# KiCad board fmc_memory_adapter.kicad_pcb (continued)
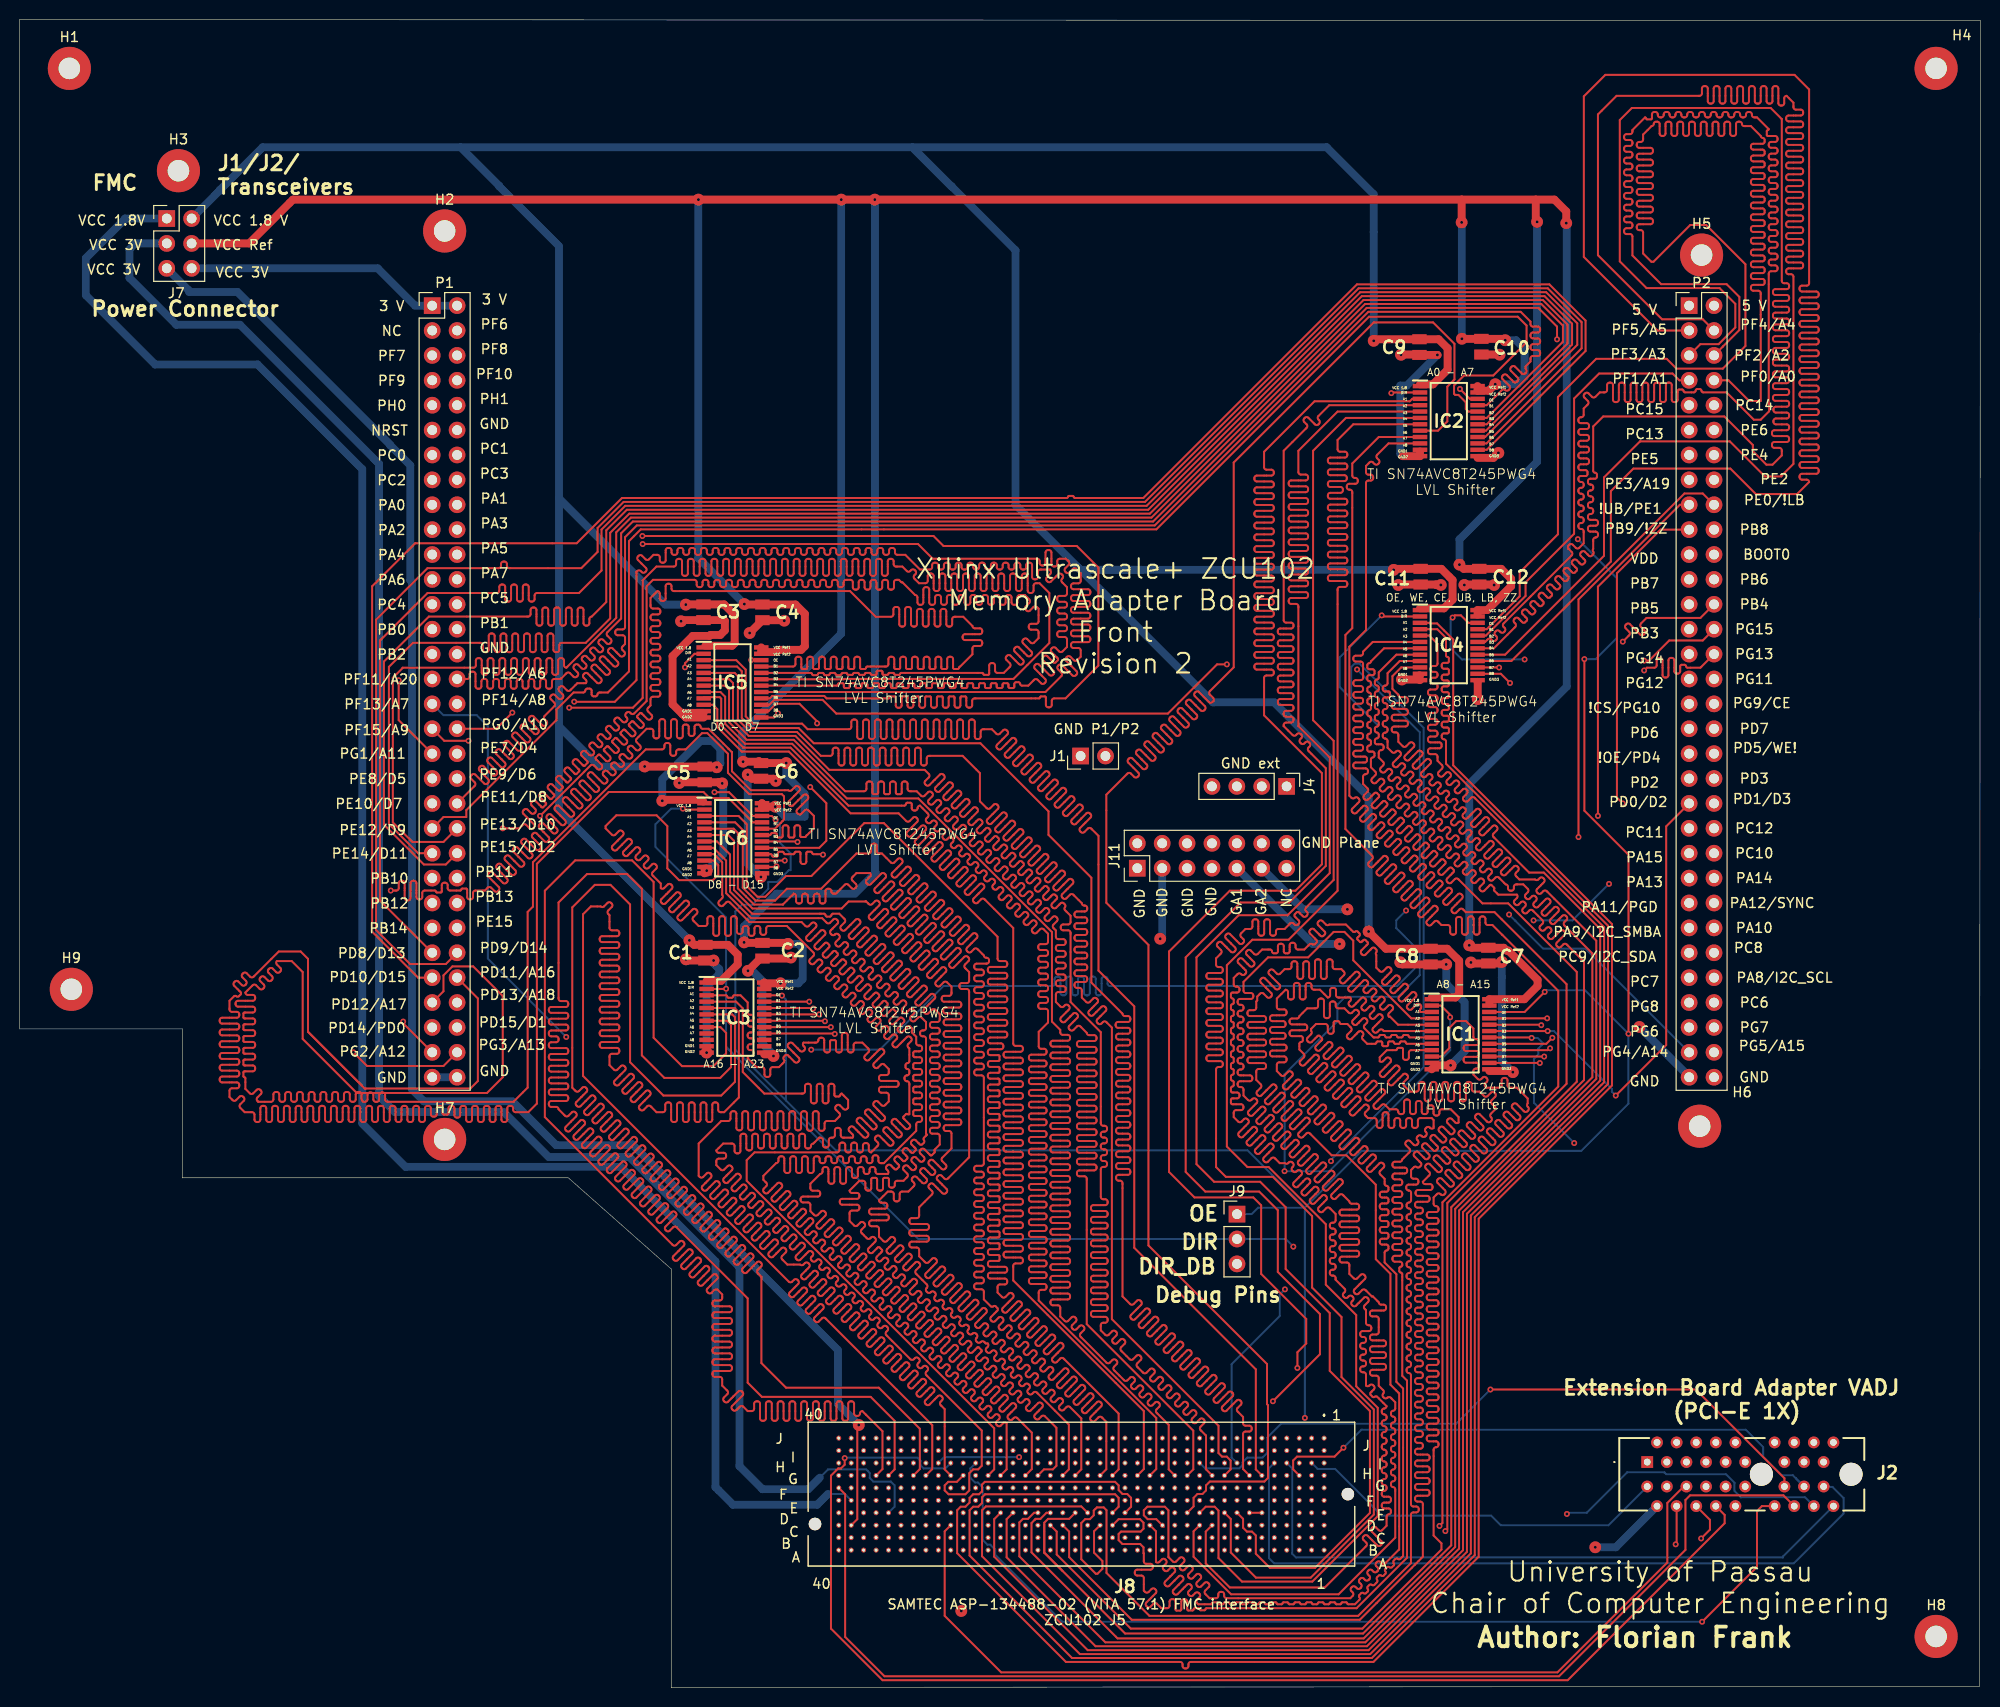
[diagram p0: board, top side]
## Routing (per net, layer and track width the routed paths; a pad name or vN(x,y) marks a point on that pad's centre or on a via; arc(x,y) is an arc through that point) (continued)
Net-(IC5-B1): length 188.4
  Top w0.2: IC5.21 78.94,104.18 arc(79.11,104.25) 79.18,104.42 79.18,104.94 arc(79.25,105.11) 79.42,105.18 79.54,105.18 arc(79.71,105.11) 79.78,104.94 79.78,104.05 arc(79.81,103.97) 79.9,103.93 80.25,103.93 arc(80.34,103.97) 80.38,104.05 80.38,104.94 arc(80.45,105.11) 80.62,105.18 80.74,105.18 arc(80.91,105.11) 80.98,104.94 80.98,104.05 arc(81.01,103.97) 81.1,103.93 81.45,103.93 arc(81.54,103.97) 81.58,104.05 81.58,104.94 arc(81.65,105.11) 81.82,105.18 81.94,105.18 arc(82.11,105.11) 82.18,104.94 82.18,104.05 arc(82.21,103.97) 82.3,103.93 82.65,103.93 arc(82.74,103.97) 82.78,104.05 82.78,104.94 arc(82.85,105.11) 83.02,105.18 83.14,105.18 arc(83.31,105.11) 83.38,104.94 83.38,104.05 arc(83.41,103.97) 83.5,103.93 83.85,103.93 arc(83.94,103.97) 83.98,104.05 83.98,104.94 arc(84.05,105.11) 84.22,105.18 84.34,105.18 arc(84.51,105.11) 84.58,104.94 84.58,104.05 arc(84.61,103.97) 84.7,103.93 85.05,103.93 arc(85.14,103.97) 85.18,104.05 85.18,104.94 arc(85.25,105.11) 85.42,105.18 85.54,105.18 arc(85.71,105.11) 85.78,104.94 85.78,104.05 arc(85.81,103.97) 85.9,103.93 86.25,103.93 arc(86.34,103.97) 86.38,104.05 arc(86.41,104.14) 86.5,104.18 88.42,104.18 arc(88.59,104.25) 88.66,104.42 88.66,104.94 arc(88.73,105.11) 88.9,105.18 89.02,105.18 arc(89.19,105.11) 89.26,104.94 89.26,104.05 arc(89.3,103.97) 89.39,103.93 89.74,103.93 arc(89.82,103.97) 89.86,104.05 89.86,104.94 arc(89.93,105.11) 90.1,105.18 90.22,105.18 arc(90.39,105.11) 90.46,104.94 90.46,104.05 arc(90.5,103.97) 90.59,103.93 90.94,103.93 arc(91.02,103.97) 91.06,104.05 91.06,104.94 arc(91.13,105.11) 91.3,105.18 91.42,105.18 arc(91.59,105.11) 91.66,104.94 91.66,104.05 arc(91.7,103.97) 91.79,103.93 92.14,103.93 arc(92.22,103.97) 92.26,104.05 92.26,104.94 arc(92.33,105.11) 92.5,105.18 92.62,105.18 arc(92.79,105.11) 92.86,104.94 92.86,104.05 arc(92.9,103.97) 92.99,103.93 93.34,103.93 arc(93.42,103.97) 93.46,104.05 93.46,104.94 arc(93.53,105.11) 93.7,105.18 93.82,105.18 arc(93.99,105.11) 94.06,104.94 94.06,104.05 arc(94.1,103.97) 94.19,103.93 94.54,103.93 arc(94.62,103.97) 94.66,104.05 94.66,104.94 arc(94.73,105.11) 94.9,105.18 95.02,105.18 arc(95.19,105.11) 95.26,104.94 95.26,104.05 arc(95.3,103.97) 95.39,103.93 95.74,103.93 arc(95.82,103.97) 95.86,104.05 arc(95.9,104.14) 95.99,104.18 97.24,105.43 97.24,106.04 arc(97.31,106.21) 97.48,106.28 98,106.28 arc(98.17,106.35) 98.24,106.52 98.24,106.64 arc(98.17,106.81) 98,106.88 96.48,106.88 arc(96.31,106.95) 96.24,107.12 96.24,107.24 arc(96.31,107.41) 96.48,107.48 98,107.48 arc(98.17,107.55) 98.24,107.72 98.24,107.84 arc(98.17,108.01) 98,108.08 97.48,108.08 arc(97.31,108.15) 97.24,108.32 96.3,109.26 95.41,109.26 arc(95.24,109.19) 95.17,109.02 95.17,108.5 arc(95.1,108.33) 94.93,108.26 94.81,108.26 arc(94.64,108.33) 94.57,108.5 94.57,109.82 arc(94.5,109.99) 94.33,110.06 94.21,110.06 arc(94.04,109.99) 93.97,109.82 93.97,108.5 arc(93.9,108.33) 93.73,108.26 93.61,108.26 arc(93.44,108.33) 93.37,108.5 93.37,109.82 arc(93.3,109.99) 93.13,110.06 93.01,110.06 arc(92.84,109.99) 92.77,109.82 92.77,108.5 arc(92.7,108.33) 92.53,108.26 92.41,108.26 arc(92.24,108.33) 92.17,108.5 92.17,109.82 arc(92.1,109.99) 91.93,110.06 91.81,110.06 arc(91.64,109.99) 91.57,109.82 91.57,108.5 arc(91.5,108.33) 91.33,108.26 91.21,108.26 arc(91.04,108.33) 90.97,108.5 90.97,110.02 arc(90.9,110.19) 90.73,110.26 90.61,110.26 arc(90.44,110.19) 90.37,110.02 90.37,108.5 arc(90.3,108.33) 90.13,108.26 90.01,108.26 arc(89.84,108.33) 89.77,108.5 89.77,110.02 arc(89.7,110.19) 89.53,110.26 89.41,110.26 arc(89.24,110.19) 89.17,110.02 89.17,109.5 arc(89.1,109.33) 88.93,109.26 87.37,109.26 84.75,111.88 66.77,111.88 arc(66.6,111.95) 66.53,112.12 66.53,112.39 arc(66.46,112.56) 66.29,112.63 66.17,112.63 arc(66,112.56) 65.93,112.39 65.93,111.12 arc(65.86,110.95) 65.69,110.88 65.57,110.88 arc(65.4,110.95) 65.33,111.12 65.33,111.64 arc(65.26,111.81) 65.09,111.88 64.39,111.18 64.39,110.34 arc(64.46,110.17) 64.63,110.1 65.15,110.1 arc(65.32,110.03) 65.39,109.86 65.39,109.74 arc(65.32,109.57) 65.15,109.5 64.63,109.5 arc(64.46,109.43) 64.39,109.26 64.39,109.14 arc(64.46,108.97) 64.63,108.9 65.15,108.9 arc(65.32,108.83) 65.39,108.66 65.39,108.54 arc(65.32,108.37) 65.15,108.3 64.63,108.3 arc(64.46,108.23) 64.39,108.06 64.39,107.94 arc(64.46,107.77) 64.63,107.7 65.15,107.7 arc(65.32,107.63) 65.39,107.46 65.39,107.34 arc(65.32,107.17) 65.15,107.1 64.63,107.1 arc(64.46,107.03) 64.39,106.86 64.39,106.74 arc(64.46,106.57) 64.63,106.5 65.15,106.5 arc(65.32,106.43) 65.39,106.26 65.39,106.14 arc(65.32,105.97) 65.15,105.9 64.63,105.9 arc(64.46,105.83) 64.39,105.66 64.39,105.54 arc(64.46,105.37) 64.63,105.3 65.15,105.3 arc(65.32,105.23) 65.39,105.06 65.39,104.94 arc(65.32,104.77) 65.15,104.7 64.63,104.7 arc(64.46,104.63) 64.39,104.46 64.39,104.34 arc(64.46,104.17) 64.63,104.1 65.15,104.1 arc(65.32,104.03) 65.39,103.86 65.39,103.74 arc(65.32,103.57) 65.15,103.5 64.63,103.5 arc(64.46,103.43) 64.39,103.26 64.39,103.14 arc(64.46,102.97) 64.63,102.9 65.15,102.9 arc(65.32,102.83) 65.39,102.66 65.39,102.54 arc(65.32,102.37) 65.15,102.3 64.63,102.3 arc(64.46,102.23) 64.39,102.06 64.39,101.94 arc(64.46,101.77) 64.63,101.7 65.15,101.7 arc(65.32,101.63) 65.39,101.46 65.39,101.34 arc(65.32,101.17) 65.15,101.1 64.63,101.1 arc(64.46,101.03) 64.39,100.86 64.39,100.21 64.12,99.95 arc(64.05,99.78) 64.12,99.61 64.49,99.24 arc(64.56,99.07) 64.49,98.9 64.4,98.81 arc(64.23,98.74) 64.07,98.81 63.46,99.42 arc(63.39,99.45) 63.32,99.42 63.03,99.14 arc(63,99.07) 63.03,99 63.64,98.39 arc(63.71,98.22) 63.64,98.05 63.56,97.97 arc(63.39,97.9) 63.22,97.97 62.61,98.57 arc(62.54,98.6) 62.47,98.57 62.18,98.29 arc(62.16,98.22) 62.18,98.15 62.79,97.54 arc(62.86,97.37) 62.79,97.2 62.71,97.12 arc(62.54,97.05) 62.37,97.12 61.76,97.72 arc(61.69,97.75) 61.62,97.72 61.34,97.44 arc(61.31,97.37) 61.34,97.3 61.94,96.69 arc(62.01,96.52) 61.94,96.35 61.86,96.27 arc(61.69,96.2) 61.52,96.27 60.91,96.88 arc(60.84,96.91) 60.77,96.88 60.49,96.59 arc(60.46,96.52) 60.49,96.45 61.1,95.84 arc(61.17,95.67) 61.1,95.5 61.01,95.42 arc(60.84,95.35) 60.67,95.42 60.06,96.03 arc(59.99,96.06) 59.92,96.03 59.64,95.75 arc(59.61,95.67) 59.64,95.6 60.25,95 arc(60.32,94.83) 60.25,94.66 60.16,94.57 arc(59.99,94.5) 59.82,94.57 59.21,95.18 arc(59.14,95.21) 59.07,95.18 58.79,94.9 arc(58.76,94.83) 58.79,94.76 59.4,94.15 arc(59.47,93.98) 59.4,93.81 59.31,93.72 arc(59.14,93.65) 58.97,93.72 58.61,94.09 arc(58.44,94.16) 58.27,94.09 v2(53.12,88.94)
  In2.Cu w0.2: v2(53.12,88.94) 51.85,88.94 50.69,90.1 50.69,94.33 arc(50.62,94.36) 50.54,94.33 arc(50.47,94.3) 50.4,94.33 50.09,94.65 arc(50.06,94.72) 50.09,94.79 50.63,95.34 arc(50.7,95.5) 50.63,95.67 50.55,95.76 arc(50.38,95.83) 50.21,95.76 49.66,95.21 arc(49.59,95.18) 49.52,95.21 49.24,95.5 arc(49.21,95.57) 49.24,95.64 49.77,96.17 arc(49.84,96.34) 49.77,96.51 49.69,96.6 arc(49.52,96.67) 49.35,96.6 48.81,96.06 arc(48.74,96.03) 48.67,96.06 48.39,96.34 arc(48.36,96.42) 48.39,96.49 48.91,97.01 arc(48.98,97.18) 48.91,97.35 48.83,97.43 arc(48.66,97.5) 48.49,97.43 47.96,96.91 arc(47.89,96.88) 47.82,96.91 47.54,97.19 arc(47.51,97.26) 47.54,97.33 48.03,97.83 arc(48.1,98) 48.03,98.17 47.95,98.25 arc(47.78,98.32) 47.61,98.25 47.12,97.76 arc(47.04,97.73) 46.97,97.76 46.69,98.04 arc(46.66,98.11) 46.69,98.18 47.07,98.56 arc(47.14,98.73) 47.07,98.9 46.99,98.99 arc(46.82,99.06) 46.65,98.99 46.51,98.85 arc(46.34,98.78) 46.17,98.85 P1.34
Net-(IC5-B2): length 197
  Top w0.2: IC5.20 80.76,103.53 arc(80.84,103.5) 80.87,103.41 arc(80.91,103.33) 80.99,103.3 81.36,103.3 arc(81.44,103.33) 81.47,103.41 arc(81.51,103.5) 81.59,103.53 81.96,103.53 arc(82.04,103.5) 82.07,103.41 arc(82.11,103.33) 82.19,103.3 82.56,103.3 arc(82.64,103.33) 82.67,103.41 arc(82.71,103.5) 82.79,103.53 83.16,103.53 arc(83.24,103.5) 83.27,103.41 arc(83.31,103.33) 83.39,103.3 83.76,103.3 arc(83.84,103.33) 83.87,103.41 arc(83.91,103.5) 83.99,103.53 84.36,103.53 arc(84.43,103.5) 84.46,103.43 arc(84.49,103.36) 84.56,103.33 84.96,103.33 arc(85.03,103.36) 85.06,103.43 arc(85.09,103.5) 85.16,103.53 85.56,103.53 arc(85.63,103.5) 85.66,103.43 arc(85.69,103.36) 85.76,103.33 86.16,103.33 arc(86.23,103.36) 86.26,103.43 arc(86.29,103.5) 86.36,103.53 86.76,103.53 arc(86.83,103.5) 86.86,103.43 arc(86.89,103.36) 86.96,103.33 87.36,103.33 arc(87.43,103.36) 87.46,103.43 87.46,103.64 arc(87.49,103.72) 87.57,103.75 87.95,103.75 arc(88.02,103.72) 88.06,103.64 88.06,103.43 arc(88.09,103.36) 88.16,103.33 88.56,103.33 arc(88.63,103.36) 88.66,103.43 arc(88.69,103.5) 88.76,103.53 89.16,103.53 arc(89.23,103.5) 89.26,103.43 arc(89.29,103.36) 89.36,103.33 89.76,103.33 arc(89.83,103.36) 89.86,103.43 arc(89.89,103.5) 89.96,103.53 98.25,103.53 arc(98.32,103.5) 98.35,103.43 arc(98.38,103.36) 98.45,103.33 98.85,103.33 arc(98.92,103.36) 98.95,103.43 98.95,104.29 arc(99.02,104.46) 99.19,104.53 99.31,104.53 arc(99.48,104.46) 99.55,104.29 99.55,103.77 arc(99.62,103.6) 99.79,103.53 100.44,103.53 101.07,104.16 arc(101.14,104.33) 101.07,104.5 100.7,104.87 arc(100.63,105.04) 100.7,105.21 100.78,105.29 arc(100.95,105.36) 101.12,105.29 101.98,104.43 arc(102.15,104.36) 102.32,104.43 102.41,104.51 arc(102.48,104.68) 102.41,104.85 101.55,105.71 arc(101.48,105.88) 101.55,106.05 101.63,106.14 arc(101.8,106.21) 101.97,106.14 102.83,105.28 arc(103,105.21) 103.17,105.28 103.26,105.36 arc(103.33,105.53) 103.26,105.7 102.4,106.56 arc(102.32,106.73) 102.4,106.9 102.48,106.99 arc(102.65,107.06) 102.82,106.99 103.19,106.62 arc(103.36,106.55) 103.53,106.62 103.99,107.08 103.99,107.7 arc(103.92,107.87) 103.75,107.94 103.23,107.94 arc(103.06,108.01) 102.99,108.18 102.99,108.3 arc(103.06,108.47) 103.23,108.54 103.75,108.54 arc(103.92,108.61) 103.99,108.78 103.99,110.08 103.81,110.26 arc(103.64,110.33) 103.47,110.26 103.1,109.89 arc(102.93,109.82) 102.76,109.89 102.68,109.97 arc(102.61,110.14) 102.68,110.31 103.05,110.68 arc(103.12,110.85) 103.05,111.02 102.59,111.48 102.07,111.48 arc(101.9,111.41) 101.83,111.24 101.83,110.72 arc(101.76,110.55) 101.59,110.48 101.47,110.48 arc(101.3,110.55) 101.23,110.72 101.23,111.24 arc(101.16,111.41) 100.99,111.48 100.87,111.48 arc(100.7,111.41) 100.63,111.24 100.63,110.72 arc(100.56,110.55) 100.39,110.48 100.27,110.48 arc(100.1,110.55) 100.03,110.72 100.03,111.24 arc(99.96,111.41) 99.79,111.48 99.67,111.48 arc(99.5,111.41) 99.43,111.24 99.43,110.72 arc(99.36,110.55) 99.19,110.48 99.07,110.48 arc(98.9,110.55) 98.83,110.72 98.83,111.24 arc(98.76,111.41) 98.59,111.48 98.47,111.48 arc(98.3,111.41) 98.23,111.24 98.23,110.72 arc(98.16,110.55) 97.99,110.48 97.87,110.48 arc(97.7,110.55) 97.63,110.72 97.63,111.24 arc(97.56,111.41) 97.39,111.48 97.27,111.48 arc(97.1,111.41) 97.03,111.24 97.03,110.72 arc(96.96,110.55) 96.79,110.48 96.67,110.48 arc(96.5,110.55) 96.43,110.72 96.43,111.24 arc(96.36,111.41) 96.19,111.48 96.07,111.48 arc(95.9,111.41) 95.83,111.24 95.83,110.72 arc(95.76,110.55) 95.59,110.48 95.47,110.48 arc(95.3,110.55) 95.23,110.72 95.23,111.24 arc(95.16,111.41) 94.99,111.48 94.87,111.48 arc(94.7,111.41) 94.63,111.24 94.63,110.72 arc(94.56,110.55) 94.39,110.48 94.27,110.48 arc(94.1,110.55) 94.03,110.72 94.03,111.24 arc(93.96,111.41) 93.79,111.48 93.67,111.48 arc(93.5,111.41) 93.43,111.24 93.43,110.72 arc(93.36,110.55) 93.19,110.48 93.07,110.48 arc(92.9,110.55) 92.83,110.72 92.83,112.04 arc(92.76,112.21) 92.59,112.28 92.47,112.28 arc(92.3,112.21) 92.23,112.04 92.23,110.72 arc(92.16,110.55) 91.99,110.48 91.87,110.48 arc(91.7,110.55) 91.63,110.72 91.63,111.24 arc(91.56,111.41) 91.39,111.48 90.09,112.78 89.99,112.78 89.74,113.03 89.47,113.03 arc(89.3,112.96) 89.23,112.79 89.23,112.27 arc(89.16,112.1) 88.99,112.03 88.87,112.03 arc(88.7,112.1) 88.63,112.27 88.63,112.79 arc(88.56,112.96) 88.39,113.03 88.27,113.03 arc(88.1,112.96) 88.03,112.79 88.03,112.27 arc(87.96,112.1) 87.79,112.03 87.67,112.03 arc(87.5,112.1) 87.43,112.27 87.43,112.79 arc(87.36,112.96) 87.19,113.03 87.07,113.03 arc(86.9,112.96) 86.83,112.79 86.83,112.27 arc(86.76,112.1) 86.59,112.03 86.47,112.03 arc(86.3,112.1) 86.23,112.27 86.23,112.79 arc(86.16,112.96) 85.99,113.03 85.87,113.03 arc(85.7,112.96) 85.63,112.79 85.63,112.27 arc(85.56,112.1) 85.39,112.03 85.27,112.03 arc(85.1,112.1) 85.03,112.27 85.03,112.79 arc(84.96,112.96) 84.79,113.03 84.34,113.03 arc(84.17,112.96) 84.1,112.79 84.1,112.52 arc(84.03,112.35) 83.86,112.28 83.74,112.28 arc(83.57,112.35) 83.5,112.52 83.5,112.79 arc(83.43,112.96) 83.26,113.03 83.14,113.03 arc(82.97,112.96) 82.9,112.79 82.9,112.52 arc(82.83,112.35) 82.66,112.28 82.54,112.28 arc(82.37,112.35) 82.3,112.52 82.3,112.79 arc(82.23,112.96) 82.06,113.03 81.94,113.03 arc(81.77,112.96) 81.7,112.79 81.7,112.52 arc(81.63,112.35) 81.46,112.28 81.34,112.28 arc(81.17,112.35) 81.1,112.52 81.1,112.79 arc(81.03,112.96) 80.86,113.03 80.74,113.03 arc(80.57,112.96) 80.5,112.79 80.5,112.52 arc(80.43,112.35) 80.26,112.28 80.14,112.28 arc(79.97,112.35) 79.9,112.52 79.9,112.79 arc(79.83,112.96) 79.66,113.03 79.54,113.03 arc(79.37,112.96) 79.3,112.79 79.3,112.52 arc(79.23,112.35) 79.06,112.28 78.94,112.28 arc(78.77,112.35) 78.7,112.52 78.7,112.79 arc(78.63,112.96) 78.46,113.03 78.34,113.03 arc(78.17,112.96) 78.1,112.79 78.1,112.52 arc(78.03,112.35) 77.86,112.28 77.74,112.28 arc(77.57,112.35) 77.5,112.52 77.5,112.79 arc(77.43,112.96) 77.26,113.03 77.14,113.03 arc(76.97,112.96) 76.9,112.79 76.9,112.52 arc(76.83,112.35) 76.66,112.28 76.54,112.28 arc(76.37,112.35) 76.3,112.52 76.3,112.79 arc(76.23,112.96) 76.06,113.03 75.94,113.03 arc(75.77,112.96) 75.7,112.79 75.7,112.52 arc(75.63,112.35) 75.46,112.28 75.34,112.28 arc(75.17,112.35) 75.1,112.52 75.1,112.79 arc(75.03,112.96) 74.86,113.03 74.74,113.03 arc(74.57,112.96) 74.5,112.79 74.5,112.52 arc(74.43,112.35) 74.26,112.28 74.14,112.28 arc(73.97,112.35) 73.9,112.52 73.9,112.79 arc(73.83,112.96) 73.66,113.03 73.54,113.03 arc(73.37,112.96) 73.3,112.79 73.3,112.52 arc(73.23,112.35) 73.06,112.28 72.94,112.28 arc(72.77,112.35) 72.7,112.52 72.7,112.79 arc(72.63,112.96) 72.46,113.03 72.34,113.03 arc(72.17,112.96) 72.1,112.79 72.1,112.52 arc(72.03,112.35) 71.86,112.28 71.74,112.28 arc(71.57,112.35) 71.5,112.52 71.5,112.79 arc(71.43,112.96) 71.26,113.03 71.14,113.03 arc(70.97,112.96) 70.9,112.79 70.9,112.52 arc(70.83,112.35) 70.66,112.28 70.54,112.28 arc(70.37,112.35) 70.3,112.52 70.3,112.79 arc(70.23,112.96) 70.06,113.03 69.94,113.03 arc(69.77,112.96) 69.7,112.79 69.7,112.52 arc(69.63,112.35) 69.46,112.28 69.34,112.28 arc(69.17,112.35) 69.1,112.52 69.1,112.79 arc(69.03,112.96) 68.86,113.03 64.64,113.03 63.99,112.38 63.99,100.66 62.72,99.39 arc(62.55,99.32) 62.38,99.39 62.3,99.48 arc(62.13,99.55) 61.96,99.48 61.87,99.39 arc(61.8,99.22) 61.87,99.05 61.96,98.97 arc(62.03,98.8) 61.96,98.63 61.87,98.55 arc(61.7,98.48) 61.53,98.55 61.17,98.91 arc(61,98.98) 60.83,98.91 60.74,98.83 arc(60.67,98.66) 60.74,98.49 61.11,98.12 arc(61.18,97.95) 61.11,97.78 61.03,97.7 arc(60.86,97.63) 60.69,97.7 60.32,98.06 arc(60.15,98.14) 59.98,98.06 59.89,97.98 arc(59.82,97.81) 59.89,97.64 60.26,97.27 arc(60.33,97.1) 60.26,96.93 60.18,96.85 arc(60.01,96.78) 59.84,96.85 59.47,97.22 arc(59.3,97.29) 59.13,97.22 59.05,97.13 arc(58.97,96.96) 59.05,96.79 59.41,96.42 arc(59.48,96.25) 59.41,96.09 59.33,96 arc(59.16,95.93) 58.99,96 58.62,96.37 arc(58.45,96.44) 58.28,96.37 58.2,96.28 arc(58.13,96.11) 58.2,95.94 58.56,95.58 arc(58.63,95.41) 58.56,95.24 58.48,95.15 arc(58.31,95.08) 58.14,95.15 57.77,95.52 arc(57.6,95.59) 57.43,95.52 57.35,95.43 arc(57.28,95.26) 57.35,95.1 57.96,94.49 arc(57.99,94.42) 57.96,94.35 57.67,94.06 arc(57.6,94.03) 57.53,94.06 56.92,94.67 arc(56.75,94.74) 56.58,94.67 56.5,94.59 arc(56.43,94.42) 56.5,94.25 57.11,93.64 arc(57.14,93.57) 57.11,93.5 56.82,93.21 arc(56.75,93.18) 56.68,93.21 56.08,93.82 arc(55.91,93.89) 55.74,93.82 55.65,93.74 arc(55.58,93.57) 55.65,93.4 56.26,92.79 arc(56.29,92.72) 56.26,92.65 55.98,92.37 arc(55.91,92.34) 55.84,92.37 55.23,92.97 arc(55.06,93.04) 54.89,92.97 54.8,92.89 arc(54.73,92.72) 54.8,92.55 55.41,91.94 arc(55.44,91.87) 55.41,91.8 55.13,91.52 arc(55.06,91.49) 54.99,91.52 54.38,92.13 arc(54.21,92.2) 54.04,92.13 53.95,92.04 arc(53.88,91.87) 53.95,91.7 54.56,91.09 arc(54.59,91.02) 54.56,90.95 54.28,90.67 arc(54.21,90.64) 54.14,90.67 53.53,91.28 arc(53.36,91.35) 53.19,91.28 53.11,91.19 arc(53.04,91.02) 53.11,90.85 53.71,90.24 arc(53.74,90.17) 53.71,90.1 53.43,89.82 arc(53.36,89.79) 53.29,89.82 52.68,90.43 arc(52.51,90.5) 52.34,90.43 52.26,90.34 arc(52.19,90.17) 52.26,90 52.62,89.64 arc(52.7,89.47) 52.62,89.3 52.54,89.21 arc(52.37,89.14) 52.2,89.21 51.83,89.58 arc(51.66,89.65) 51.49,89.58 51.41,89.49 arc(51.34,89.33) 51.41,89.16 52.48,88.08 arc(52.55,87.91) 52.48,87.74 52.4,87.66 arc(52.23,87.59) 52.06,87.66 51.69,88.02 arc(51.52,88.09) 51.35,88.02 51,87.67 v2(49.31,87.67) ; v2(45.81,96.6) 43.33,96.6 P1.35
  In2.Cu w0.2: v2(45.81,96.6) 45.83,96.58 46.09,96.58 48.44,94.23 48.44,88.54 v2(49.31,87.67)
Net-(IC5-B3): length 196.9
  Top w0.2: v2(56.09,99.98) 62.59,99.98 63.59,100.98 63.59,112.98 64.99,114.38 66.76,114.38 arc(66.93,114.45) 67,114.62 67,114.93 arc(67.07,115.1) 67.24,115.17 67.36,115.17 arc(67.53,115.1) 67.6,114.93 67.6,113.68 arc(67.67,113.51) 67.84,113.44 67.96,113.44 arc(68.13,113.51) 68.2,113.68 68.2,114.93 arc(68.27,115.1) 68.44,115.17 68.56,115.17 arc(68.73,115.1) 68.8,114.93 68.8,113.68 arc(68.87,113.51) 69.04,113.44 69.16,113.44 arc(69.33,113.51) 69.4,113.68 69.4,114.93 arc(69.47,115.1) 69.64,115.17 69.76,115.17 arc(69.93,115.1) 70,114.93 70,113.68 arc(70.07,113.51) 70.24,113.44 70.36,113.44 arc(70.53,113.51) 70.6,113.68 70.6,114.93 arc(70.67,115.1) 70.84,115.17 70.96,115.17 arc(71.13,115.1) 71.2,114.93 71.2,113.68 arc(71.27,113.51) 71.44,113.44 71.56,113.44 arc(71.73,113.51) 71.8,113.68 71.8,114.93 arc(71.87,115.1) 72.04,115.17 72.16,115.17 arc(72.33,115.1) 72.4,114.93 72.4,113.68 arc(72.47,113.51) 72.64,113.44 72.76,113.44 arc(72.93,113.51) 73,113.68 73,114.93 arc(73.07,115.1) 73.24,115.17 73.36,115.17 arc(73.53,115.1) 73.6,114.93 73.6,113.68 arc(73.67,113.51) 73.84,113.44 73.96,113.44 arc(74.13,113.51) 74.2,113.68 74.2,114.93 arc(74.27,115.1) 74.44,115.17 74.56,115.17 arc(74.73,115.1) 74.8,114.93 74.8,113.68 arc(74.87,113.51) 75.04,113.44 75.16,113.44 arc(75.33,113.51) 75.4,113.68 75.4,114.93 arc(75.47,115.1) 75.64,115.17 75.76,115.17 arc(75.93,115.1) 76,114.93 76,113.68 arc(76.07,113.51) 76.24,113.44 76.36,113.44 arc(76.53,113.51) 76.6,113.68 76.6,114.93 arc(76.67,115.1) 76.84,115.17 76.96,115.17 arc(77.13,115.1) 77.2,114.93 77.2,113.68 arc(77.27,113.51) 77.44,113.44 77.56,113.44 arc(77.73,113.51) 77.8,113.68 77.8,114.93 arc(77.87,115.1) 78.04,115.17 78.16,115.17 arc(78.33,115.1) 78.4,114.93 78.4,113.68 arc(78.47,113.51) 78.64,113.44 78.76,113.44 arc(78.93,113.51) 79,113.68 79,114.93 arc(79.07,115.1) 79.24,115.17 79.36,115.17 arc(79.53,115.1) 79.6,114.93 79.6,113.68 arc(79.67,113.51) 79.84,113.44 79.96,113.44 arc(80.13,113.51) 80.2,113.68 80.2,114.93 arc(80.27,115.1) 80.44,115.17 80.56,115.17 arc(80.73,115.1) 80.8,114.93 80.8,113.68 arc(80.87,113.51) 81.04,113.44 81.16,113.44 arc(81.33,113.51) 81.4,113.68 81.4,114.93 arc(81.47,115.1) 81.64,115.17 81.76,115.17 arc(81.93,115.1) 82,114.93 82,113.68 arc(82.07,113.51) 82.24,113.44 82.36,113.44 arc(82.53,113.51) 82.6,113.68 82.6,114.93 arc(82.67,115.1) 82.84,115.17 82.96,115.17 arc(83.13,115.1) 83.2,114.93 83.2,113.68 arc(83.27,113.51) 83.44,113.44 83.56,113.44 arc(83.73,113.51) 83.8,113.68 83.8,114.93 arc(83.87,115.1) 84.04,115.17 84.16,115.17 arc(84.33,115.1) 84.4,114.93 84.4,113.68 arc(84.47,113.51) 84.64,113.44 84.76,113.44 arc(84.93,113.51) 85,113.68 85,114.93 arc(85.07,115.1) 85.24,115.17 85.36,115.17 arc(85.53,115.1) 85.6,114.93 85.6,113.68 arc(85.67,113.51) 85.84,113.44 85.96,113.44 arc(86.13,113.51) 86.2,113.68 86.2,114.93 arc(86.27,115.1) 86.44,115.17 86.56,115.17 arc(86.73,115.1) 86.8,114.93 86.8,113.68 arc(86.87,113.51) 87.04,113.44 87.16,113.44 arc(87.33,113.51) 87.4,113.68 87.4,114.93 arc(87.47,115.1) 87.64,115.17 87.76,115.17 arc(87.93,115.1) 88,114.93 88,113.68 arc(88.07,113.51) 88.24,113.44 88.36,113.44 arc(88.53,113.51) 88.6,113.68 88.6,114.93 arc(88.67,115.1) 88.84,115.17 88.96,115.17 arc(89.13,115.1) 89.2,114.93 89.2,114.62 arc(89.27,114.45) 89.44,114.38 90.09,114.38 90.55,113.92 arc(90.72,113.85) 90.89,113.92 91,114.03 arc(91.17,114.1) 91.34,114.03 91.42,113.95 arc(91.49,113.78) 91.42,113.61 91.31,113.5 arc(91.24,113.33) 91.31,113.16 91.79,112.68 92.44,112.68 arc(92.61,112.75) 92.68,112.92 92.68,113.43 arc(92.75,113.6) 92.92,113.67 93.04,113.67 arc(93.21,113.6) 93.28,113.43 93.28,112.13 arc(93.35,111.96) 93.52,111.89 93.64,111.89 arc(93.81,111.96) 93.88,112.13 93.88,113.43 arc(93.95,113.6) 94.12,113.67 94.24,113.67 arc(94.41,113.6) 94.48,113.43 94.48,112.13 arc(94.55,111.96) 94.72,111.89 94.84,111.89 arc(95.01,111.96) 95.08,112.13 95.08,113.43 arc(95.15,113.6) 95.32,113.67 95.44,113.67 arc(95.61,113.6) 95.68,113.43 95.68,112.13 arc(95.75,111.96) 95.92,111.89 96.04,111.89 arc(96.21,111.96) 96.28,112.13 96.28,113.43 arc(96.35,113.6) 96.52,113.67 96.64,113.67 arc(96.81,113.6) 96.88,113.43 96.88,112.13 arc(96.95,111.96) 97.12,111.89 97.24,111.89 arc(97.41,111.96) 97.48,112.13 97.48,113.43 arc(97.55,113.6) 97.72,113.67 97.84,113.67 arc(98.01,113.6) 98.08,113.43 98.08,112.13 arc(98.15,111.96) 98.32,111.89 98.44,111.89 arc(98.61,111.96) 98.68,112.13 98.68,113.43 arc(98.75,113.6) 98.92,113.67 99.04,113.67 arc(99.21,113.6) 99.28,113.43 99.28,112.13 arc(99.35,111.96) 99.52,111.89 99.64,111.89 arc(99.81,111.96) 99.88,112.13 99.88,113.43 arc(99.95,113.6) 100.12,113.67 100.24,113.67 arc(100.41,113.6) 100.48,113.43 100.48,112.13 arc(100.55,111.96) 100.72,111.89 100.84,111.89 arc(101.01,111.96) 101.08,112.13 101.08,113.43 arc(101.15,113.6) 101.32,113.67 101.44,113.67 arc(101.61,113.6) 101.68,113.43 101.68,112.13 arc(101.75,111.96) 101.92,111.89 102.04,111.89 arc(102.21,111.96) 102.28,112.13 102.28,113.43 arc(102.35,113.6) 102.52,113.67 102.64,113.67 arc(102.81,113.6) 102.88,113.43 102.88,111.93 arc(102.95,111.76) 103.12,111.69 103.24,111.69 arc(103.41,111.76) 103.48,111.93 103.48,112.44 arc(103.55,112.61) 103.72,112.68 104.09,112.68 105.09,111.68 105.09,106.58 101.42,102.91 84.15,102.91 84.12,102.88 IC5.19 ; P1.36 48.64,97.83 v2(50.29,99.48)
  In2.Cu w0.2: v2(50.29,99.48) 50.79,99.98 v2(56.09,99.98)
Net-(IC5-B4): length 196.9
  Top w0.2: P1.37 38.69,98.71 v2(38.69,102.78) ; IC5.18 83.39,102.23 arc(83.47,102.27) 83.51,102.35 arc(83.55,102.44) 83.63,102.48 83.99,102.48 arc(84.07,102.44) 84.11,102.35 84.11,102.11 arc(84.15,102.02) 84.23,101.98 84.59,101.98 arc(84.67,102.02) 84.71,102.11 84.71,102.35 arc(84.75,102.44) 84.83,102.48 85.19,102.48 arc(85.27,102.44) 85.31,102.35 85.31,102.11 arc(85.35,102.02) 85.43,101.98 85.79,101.98 arc(85.87,102.02) 85.91,102.11 85.91,102.35 arc(85.95,102.44) 86.03,102.48 86.39,102.48 arc(86.47,102.44) 86.51,102.35 86.51,102.11 arc(86.55,102.02) 86.63,101.98 86.99,101.98 arc(87.07,102.02) 87.11,102.11 87.11,102.35 arc(87.15,102.44) 87.23,102.48 87.59,102.48 arc(87.67,102.44) 87.71,102.35 87.71,102.11 arc(87.75,102.02) 87.83,101.98 88.19,101.98 arc(88.27,102.02) 88.31,102.11 88.31,102.35 arc(88.35,102.44) 88.43,102.48 88.79,102.48 arc(88.87,102.44) 88.91,102.35 88.91,102.11 arc(88.95,102.02) 89.03,101.98 89.39,101.98 arc(89.47,102.02) 89.51,102.11 89.51,102.35 arc(89.55,102.44) 89.63,102.48 89.99,102.48 arc(90.07,102.44) 90.11,102.35 90.11,102.11 arc(90.15,102.02) 90.23,101.98 90.59,101.98 arc(90.67,102.02) 90.71,102.11 90.71,102.35 arc(90.75,102.44) 90.83,102.48 91.19,102.48 arc(91.27,102.44) 91.31,102.35 91.31,102.11 arc(91.35,102.02) 91.43,101.98 91.79,101.98 arc(91.87,102.02) 91.91,102.11 91.91,102.35 arc(91.95,102.44) 92.03,102.48 92.39,102.48 arc(92.47,102.44) 92.51,102.35 92.51,102.11 arc(92.55,102.02) 92.63,101.98 92.99,101.98 arc(93.07,102.02) 93.11,102.11 93.11,102.35 arc(93.15,102.44) 93.23,102.48 93.59,102.48 arc(93.67,102.44) 93.71,102.35 93.71,102.11 arc(93.75,102.02) 93.83,101.98 94.19,101.98 arc(94.27,102.02) 94.31,102.11 94.31,102.35 arc(94.35,102.44) 94.43,102.48 94.79,102.48 arc(94.87,102.44) 94.91,102.35 94.91,102.11 arc(94.95,102.02) 95.03,101.98 95.39,101.98 arc(95.47,102.02) 95.51,102.11 95.51,102.35 arc(95.55,102.44) 95.63,102.48 95.99,102.48 arc(96.07,102.44) 96.11,102.35 96.11,102.11 arc(96.15,102.02) 96.23,101.98 96.59,101.98 arc(96.67,102.02) 96.71,102.11 96.71,102.35 arc(96.75,102.44) 96.83,102.48 97.19,102.48 arc(97.27,102.44) 97.31,102.35 97.31,102.11 arc(97.35,102.02) 97.43,101.98 97.79,101.98 arc(97.87,102.02) 97.91,102.11 97.91,102.35 arc(97.95,102.44) 98.03,102.48 98.39,102.48 arc(98.47,102.44) 98.51,102.35 98.51,102.11 arc(98.55,102.02) 98.63,101.98 98.99,101.98 arc(99.07,102.02) 99.11,102.11 99.11,102.35 arc(99.15,102.44) 99.23,102.48 99.59,102.48 arc(99.67,102.44) 99.71,102.35 99.71,102.11 arc(99.75,102.02) 99.83,101.98 100.19,101.98 arc(100.27,102.02) 100.31,102.11 100.31,102.35 arc(100.35,102.44) 100.43,102.48 100.79,102.48 arc(100.87,102.44) 100.91,102.35 100.91,102.11 arc(100.95,102.02) 101.03,101.98 101.39,101.98 arc(101.47,102.02) 101.51,102.11 101.51,102.4 arc(101.56,102.53) 101.68,102.58 101.94,102.58 arc(102.06,102.53) 102.11,102.4 arc(102.16,102.28) 102.29,102.23 102.94,102.23 103.54,102.83 arc(103.71,102.91) 103.88,102.83 104.25,102.47 arc(104.42,102.4) 104.59,102.47 104.67,102.55 arc(104.74,102.72) 104.67,102.89 103.6,103.96 arc(103.53,104.13) 103.6,104.3 103.68,104.39 arc(103.85,104.46) 104.02,104.39 105.1,103.32 arc(105.27,103.25) 105.43,103.32 105.52,103.4 arc(105.59,103.57) 105.52,103.74 104.45,104.81 arc(104.38,104.98) 104.45,105.15 104.53,105.24 arc(104.7,105.31) 104.87,105.24 105.51,104.6 arc(105.62,104.55) 105.72,104.6 105.94,104.81 arc(105.98,104.92) 105.94,105.02 105.3,105.66 arc(105.23,105.83) 105.3,106 105.38,106.09 arc(105.55,106.16) 105.72,106.09 106.09,105.72 arc(106.26,105.65) 106.43,105.72 106.89,106.18 106.89,106.95 arc(106.82,107.12) 106.65,107.19 106.13,107.19 arc(105.96,107.26) 105.89,107.43 105.89,107.55 arc(105.96,107.72) 106.13,107.79 106.65,107.79 arc(106.82,107.86) 106.89,108.03 106.89,108.15 arc(106.82,108.32) 106.65,108.39 106.13,108.39 arc(105.96,108.46) 105.89,108.63 105.89,108.75 arc(105.96,108.92) 106.13,108.99 106.65,108.99 arc(106.82,109.06) 106.89,109.23 106.89,109.35 arc(106.82,109.52) 106.65,109.59 106.13,109.59 arc(105.96,109.66) 105.89,109.83 105.89,109.95 arc(105.96,110.12) 106.13,110.19 106.65,110.19 arc(106.82,110.26) 106.89,110.43 106.89,110.55 arc(106.82,110.72) 106.65,110.79 106.13,110.79 arc(105.96,110.86) 105.89,111.03 105.89,111.15 arc(105.96,111.32) 106.13,111.39 106.65,111.39 arc(106.82,111.46) 106.89,111.63 106.89,112.28 106.37,112.79 arc(106.3,112.96) 106.37,113.13 106.42,113.18 arc(106.49,113.35) 106.42,113.52 106.34,113.6 arc(106.17,113.67) 106,113.6 105.24,112.85 arc(105.07,112.78) 104.9,112.85 104.82,112.93 arc(104.75,113.1) 104.82,113.27 105.19,113.64 arc(105.26,113.81) 105.19,113.98 105.19,114.08 104.16,114.08 arc(103.99,114.01) 103.92,113.84 103.92,113.32 arc(103.85,113.15) 103.68,113.08 103.56,113.08 arc(103.39,113.15) 103.32,113.32 103.32,114.54 arc(103.25,114.71) 103.08,114.78 102.96,114.78 arc(102.79,114.71) 102.72,114.54 102.72,114.32 arc(102.65,114.15) 102.48,114.08 102.36,114.08 arc(102.19,114.15) 102.12,114.32 102.12,114.54 arc(102.05,114.71) 101.88,114.78 101.76,114.78 arc(101.59,114.71) 101.52,114.54 101.52,114.32 arc(101.45,114.15) 101.28,114.08 101.16,114.08 arc(100.99,114.15) 100.92,114.32 100.92,114.54 arc(100.85,114.71) 100.68,114.78 100.56,114.78 arc(100.39,114.71) 100.32,114.54 100.32,114.32 arc(100.25,114.15) 100.08,114.08 99.96,114.08 arc(99.79,114.15) 99.72,114.32 99.72,114.54 arc(99.65,114.71) 99.48,114.78 99.36,114.78 arc(99.19,114.71) 99.12,114.54 99.12,114.32 arc(99.05,114.15) 98.88,114.08 98.76,114.08 arc(98.59,114.15) 98.52,114.32 98.52,114.54 arc(98.45,114.71) 98.28,114.78 98.16,114.78 arc(97.99,114.71) 97.92,114.54 97.92,114.32 arc(97.85,114.15) 97.68,114.08 97.56,114.08 arc(97.39,114.15) 97.32,114.32 97.32,114.54 arc(97.25,114.71) 97.08,114.78 96.96,114.78 arc(96.79,114.71) 96.72,114.54 96.72,114.32 arc(96.65,114.15) 96.48,114.08 96.36,114.08 arc(96.19,114.15) 96.12,114.32 96.12,114.54 arc(96.05,114.71) 95.88,114.78 95.76,114.78 arc(95.59,114.71) 95.52,114.54 95.52,114.32 arc(95.45,114.15) 95.28,114.08 95.16,114.08 arc(94.99,114.15) 94.92,114.32 94.92,114.54 arc(94.85,114.71) 94.68,114.78 94.56,114.78 arc(94.39,114.71) 94.32,114.54 94.32,114.32 arc(94.25,114.15) 94.08,114.08 93.96,114.08 arc(93.79,114.15) 93.72,114.32 93.72,114.54 arc(93.65,114.71) 93.48,114.78 93.36,114.78 arc(93.19,114.71) 93.12,114.54 93.12,114.32 arc(93.05,114.15) 92.88,114.08 91.89,114.08 90.39,115.58 89.57,115.58 arc(89.4,115.65) 89.33,115.82 89.33,116.04 arc(89.26,116.21) 89.09,116.28 88.97,116.28 arc(88.8,116.21) 88.73,116.04 88.73,115.82 arc(88.66,115.65) 88.49,115.58 88.37,115.58 arc(88.2,115.65) 88.13,115.82 88.13,116.04 arc(88.06,116.21) 87.89,116.28 87.77,116.28 arc(87.6,116.21) 87.53,116.04 87.53,115.82 arc(87.46,115.65) 87.29,115.58 87.17,115.58 arc(87,115.65) 86.93,115.82 86.93,116.04 arc(86.86,116.21) 86.69,116.28 86.57,116.28 arc(86.4,116.21) 86.33,116.04 86.33,115.82 arc(86.26,115.65) 86.09,115.58 85.97,115.58 arc(85.8,115.65) 85.73,115.82 85.73,116.04 arc(85.66,116.21) 85.49,116.28 85.37,116.28 arc(85.2,116.21) 85.13,116.04 85.13,115.82 arc(85.06,115.65) 84.89,115.58 84.77,115.58 arc(84.6,115.65) 84.53,115.82 84.53,116.04 arc(84.46,116.21) 84.29,116.28 84.17,116.28 arc(84,116.21) 83.93,116.04 83.93,115.82 arc(83.86,115.65) 83.69,115.58 83.57,115.58 arc(83.4,115.65) 83.33,115.82 83.33,116.04 arc(83.26,116.21) 83.09,116.28 82.97,116.28 arc(82.8,116.21) 82.73,116.04 82.73,115.82 arc(82.66,115.65) 82.49,115.58 82.37,115.58 arc(82.2,115.65) 82.13,115.82 82.13,116.04 arc(82.06,116.21) 81.89,116.28 81.77,116.28 arc(81.6,116.21) 81.53,116.04 81.53,115.82 arc(81.46,115.65) 81.29,115.58 81.17,115.58 arc(81,115.65) 80.93,115.82 80.93,116.04 arc(80.86,116.21) 80.69,116.28 80.57,116.28 arc(80.4,116.21) 80.33,116.04 80.33,115.82 arc(80.26,115.65) 80.09,115.58 79.97,115.58 arc(79.8,115.65) 79.73,115.82 79.73,116.04 arc(79.66,116.21) 79.49,116.28 79.37,116.28 arc(79.2,116.21) 79.13,116.04 79.13,115.82 arc(79.06,115.65) 78.89,115.58 78.77,115.58 arc(78.6,115.65) 78.53,115.82 78.53,116.04 arc(78.46,116.21) 78.29,116.28 78.17,116.28 arc(78,116.21) 77.93,116.04 77.93,115.82 arc(77.86,115.65) 77.69,115.58 77.57,115.58 arc(77.4,115.65) 77.33,115.82 77.33,116.04 arc(77.26,116.21) 77.09,116.28 76.97,116.28 arc(76.8,116.21) 76.73,116.04 76.73,115.82 arc(76.66,115.65) 76.49,115.58 76.37,115.58 arc(76.2,115.65) 76.13,115.82 76.13,116.04 arc(76.06,116.21) 75.89,116.28 75.77,116.28 arc(75.6,116.21) 75.53,116.04 75.53,115.82 arc(75.46,115.65) 75.29,115.58 75.17,115.58 arc(75,115.65) 74.93,115.82 74.93,116.04 arc(74.86,116.21) 74.69,116.28 74.57,116.28 arc(74.4,116.21) 74.33,116.04 74.33,115.82 arc(74.26,115.65) 74.09,115.58 73.97,115.58 arc(73.8,115.65) 73.73,115.82 73.73,116.04 arc(73.66,116.21) 73.49,116.28 73.37,116.28 arc(73.2,116.21) 73.13,116.04 73.13,115.82 arc(73.06,115.65) 72.89,115.58 72.77,115.58 arc(72.6,115.65) 72.53,115.82 72.53,116.04 arc(72.46,116.21) 72.29,116.28 72.17,116.28 arc(72,116.21) 71.93,116.04 71.93,115.82 arc(71.86,115.65) 71.69,115.58 71.57,115.58 arc(71.4,115.65) 71.33,115.82 71.33,116.04 arc(71.26,116.21) 71.09,116.28 70.97,116.28 arc(70.8,116.21) 70.73,116.04 70.73,115.82 arc(70.66,115.65) 70.49,115.58 70.37,115.58 arc(70.2,115.65) 70.13,115.82 70.13,116.04 arc(70.06,116.21) 69.89,116.28 69.77,116.28 arc(69.6,116.21) 69.53,116.04 69.53,115.82 arc(69.46,115.65) 69.29,115.58 69.17,115.58 arc(69,115.65) 68.93,115.82 68.93,116.04 arc(68.86,116.21) 68.69,116.28 68.57,116.28 arc(68.4,116.21) 68.33,116.04 68.33,115.82 arc(68.26,115.65) 68.09,115.58 67.97,115.58 arc(67.8,115.65) 67.73,115.82 67.73,116.04 arc(67.66,116.21) 67.49,116.28 67.37,116.28 arc(67.2,116.21) 67.13,116.04 67.13,115.82 arc(67.06,115.65) 66.89,115.58 66.77,115.58 arc(66.6,115.65) 66.53,115.82 66.53,116.04 arc(66.46,116.21) 66.29,116.28 66.17,116.28 arc(66,116.21) 65.93,116.04 65.93,115.02 arc(65.86,114.85) 65.69,114.78 65.57,114.78 arc(65.4,114.85) 65.33,115.02 65.33,115.34 arc(65.26,115.51) 65.09,115.58 64.69,115.58 64.23,115.12 arc(64.06,115.05) 63.89,115.12 63.52,115.49 arc(63.35,115.56) 63.18,115.49 63.1,115.4 arc(63.02,115.23) 63.1,115.06 63.92,114.24 arc(63.99,114.07) 63.92,113.9 63.84,113.81 arc(63.67,113.74) 63.5,113.81 63.38,113.93 arc(63.21,114) 63.04,113.93 62.95,113.85 62.95,102.8 60.74,100.58 56.59,100.58 56.59,100.58 v2(56.6,100.59)